# KiCad board SparkFun_GNSS_ZED-X20P_panelized.kicad_pcb (continued)
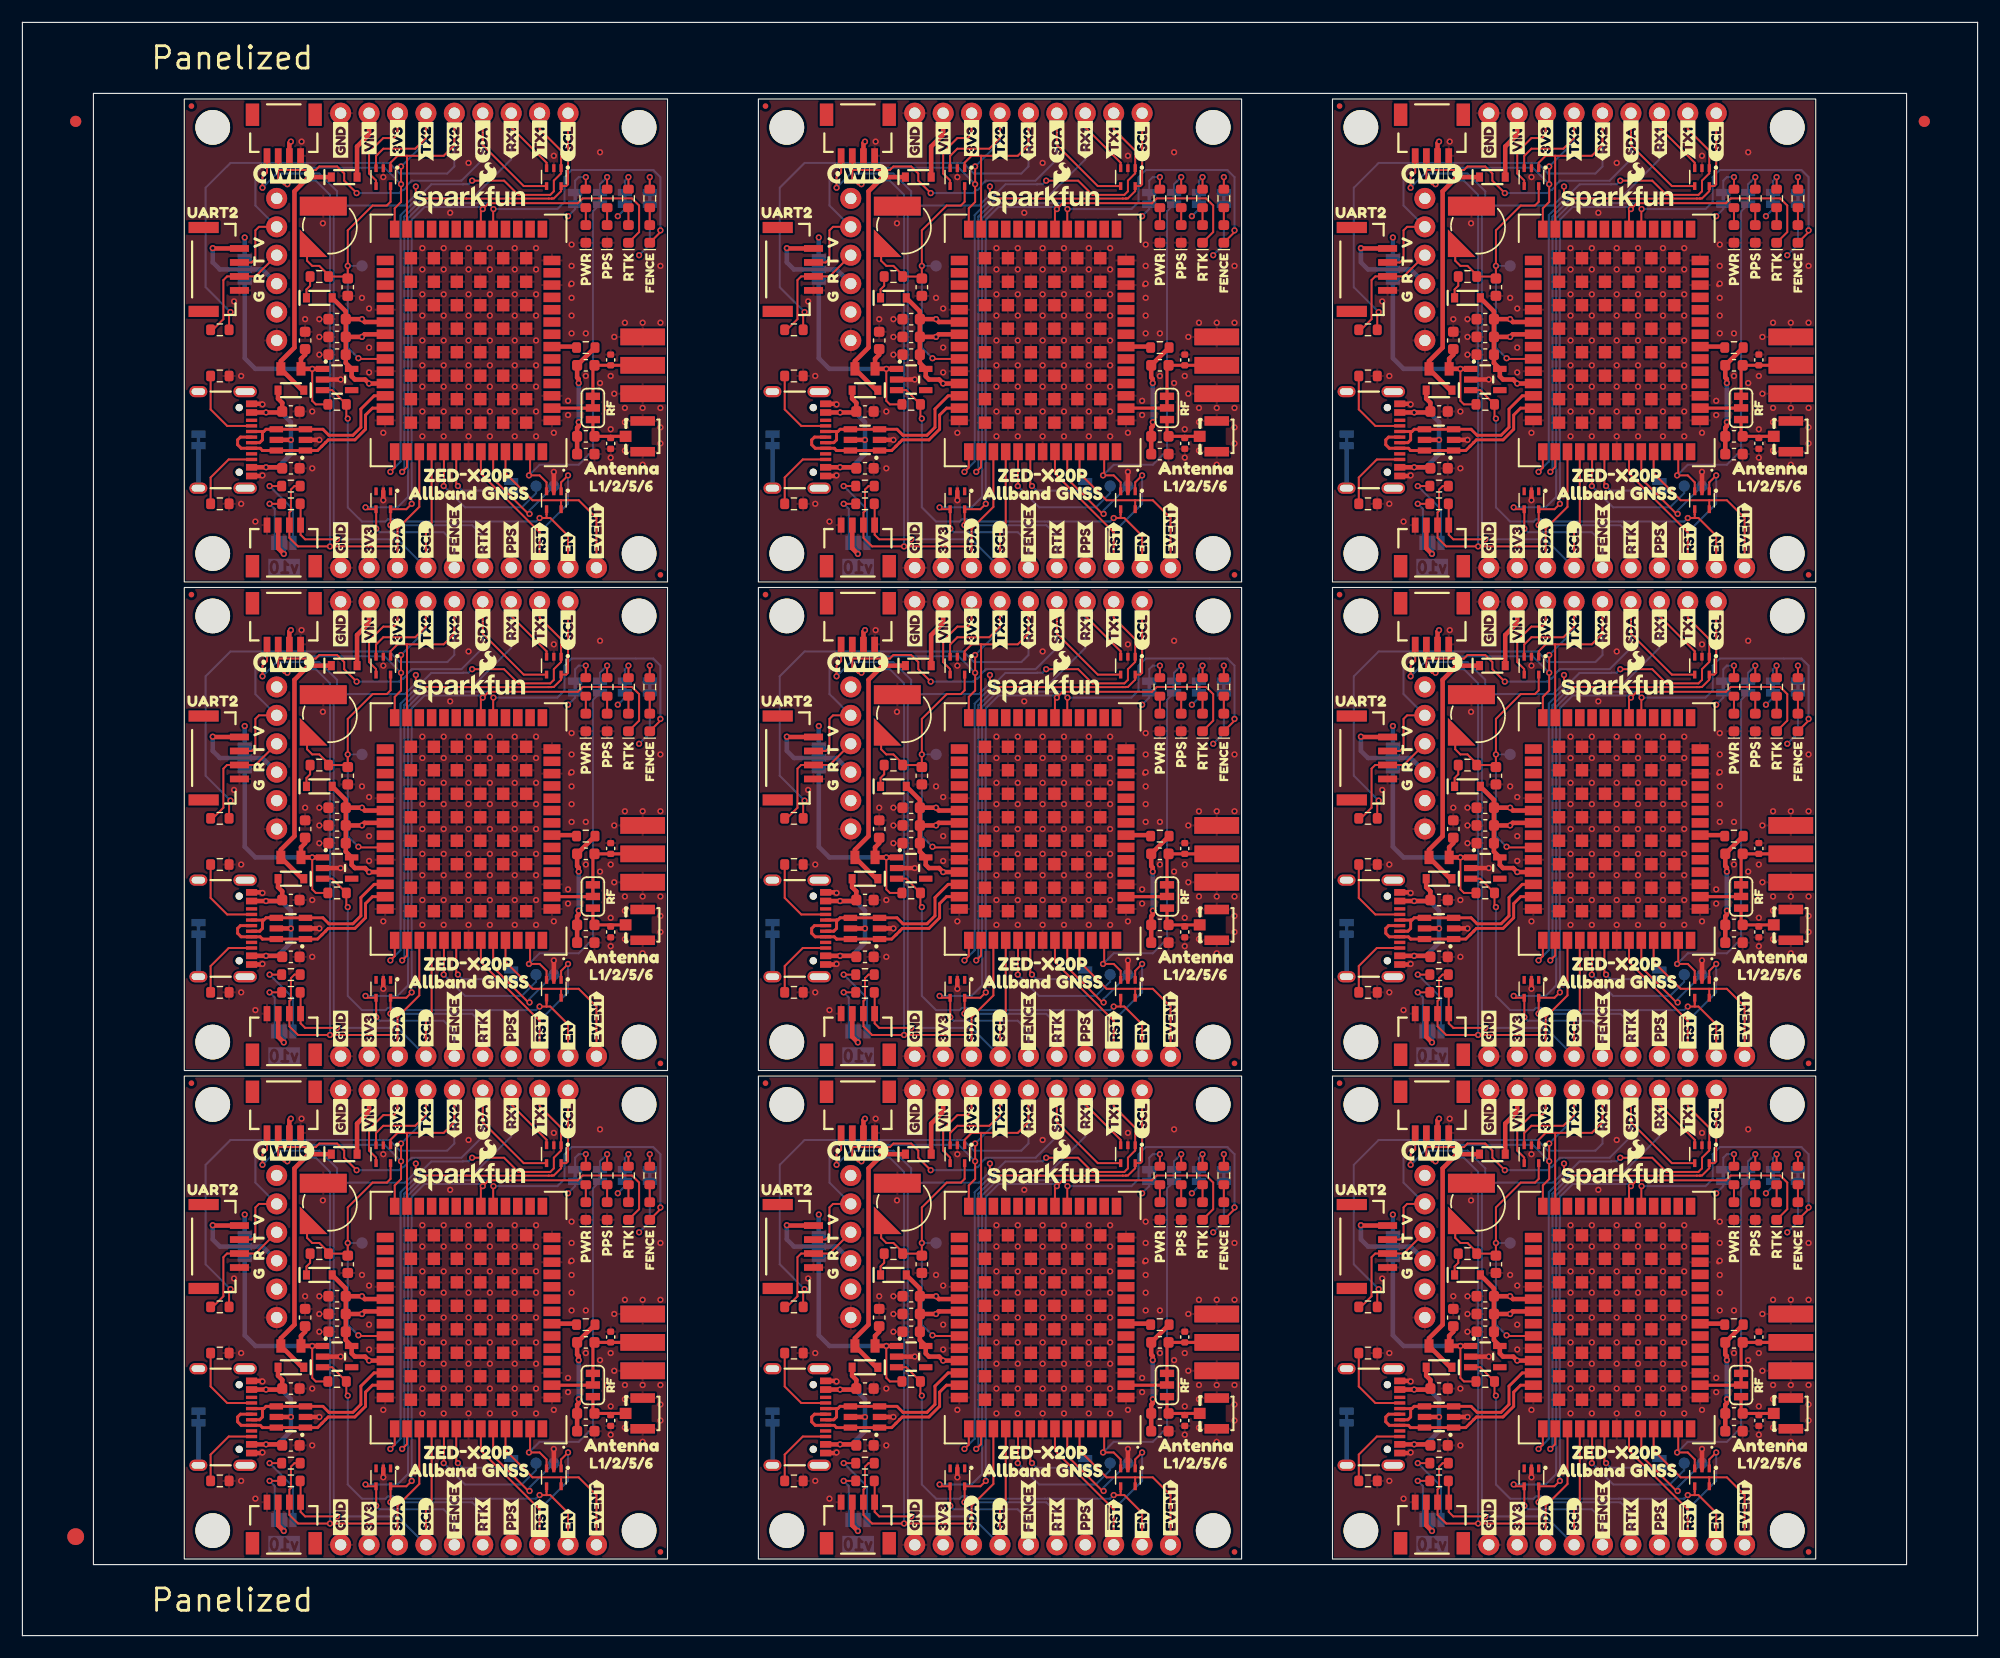
[diagram p0: board, top side]
## Placement (name value [footprint] x y rotation side) (continued)
R12#2  2.2k  [R_0603_1608Metric]  75.3 101.2 0 top
R12#3  2.2k  [R_0603_1608Metric]  126.59 101.2 0 top
R12#4  2.2k  [R_0603_1608Metric]  75.3 13.84 0 top
R12#5  2.2k  [R_0603_1608Metric]  24 57.52 0 top
R12#6  2.2k  [R_0603_1608Metric]  24 101.2 0 top
R12#7  2.2k  [R_0603_1608Metric]  126.59 57.52 0 top
R12#8  2.2k  [R_0603_1608Metric]  75.3 57.52 0 top
R12#9  2.2k  [R_0603_1608Metric]  126.59 13.84 0 top
R13  2.2k  [R_0603_1608Metric]  24 59.1 0 top
R13#2  2.2k  [R_0603_1608Metric]  24 15.42 0 top
R13#3  2.2k  [R_0603_1608Metric]  24 102.78 0 top
R13#4  2.2k  [R_0603_1608Metric]  126.59 15.42 0 top
R13#5  2.2k  [R_0603_1608Metric]  75.3 59.1 0 top
R13#6  2.2k  [R_0603_1608Metric]  126.59 102.78 0 top
R13#7  2.2k  [R_0603_1608Metric]  126.59 59.1 0 top
R13#8  2.2k  [R_0603_1608Metric]  75.3 15.42 0 top
R13#9  2.2k  [R_0603_1608Metric]  75.3 102.78 0 top
Ref**  Val**  [OSHW_Logo_4mm]  55.11 13.84 270 bottom
Ref**#2  Val**  [OSHW_Logo_4mm]  55.11 57.52 270 bottom
Ref**#3  Val**  [OSHW_Logo_4mm]  106.41 13.84 270 bottom
Ref**#4  Val**  [OSHW_Logo_4mm]  106.41 101.2 270 bottom
Ref**#5  Val**  [OSHW_Logo_4mm]  55.11 101.2 270 bottom
Ref**#6  Val**  [OSHW_Logo_4mm]  106.41 57.52 270 bottom
Ref**#7  Val**  [OSHW_Logo_4mm]  157.71 13.84 270 bottom
Ref**#8  Val**  [OSHW_Logo_4mm]  157.71 57.52 270 bottom
Ref**#9  Val**  [OSHW_Logo_4mm]  157.71 101.2 270 bottom
ST1  -  [Standoff]  55.11 47.49 0 top
ST1#2  -  [Standoff]  157.71 47.49 0 top
ST1#3  -  [Standoff]  106.41 91.17 0 top
ST1#4  -  [Standoff]  106.41 47.49 0 top
ST1#5  -  [Standoff]  55.11 134.85 0 top
ST1#6  -  [Standoff]  106.41 134.85 0 top
ST1#7  -  [Standoff]  157.71 134.85 0 top
ST1#8  -  [Standoff]  157.71 91.17 0 top
ST1#9  -  [Standoff]  55.11 91.17 0 top
ST2  -  [Standoff]  55.11 53.07 0 top
ST2#2  -  [Standoff]  106.41 96.75 0 top
ST2#3  -  [Standoff]  106.41 9.39 0 top
ST2#4  -  [Standoff]  106.41 53.07 0 top
ST2#5  -  [Standoff]  157.71 96.75 0 top
ST2#6  -  [Standoff]  157.71 9.39 0 top
ST2#7  -  [Standoff]  55.11 96.75 0 top
ST2#8  -  [Standoff]  157.71 53.07 0 top
ST2#9  -  [Standoff]  55.11 9.39 0 top
ST3  -  [Standoff]  17.01 47.49 0 top
ST3#2  -  [Standoff]  17.01 134.85 0 top
ST3#3  -  [Standoff]  68.31 47.49 0 top
ST3#4  -  [Standoff]  17.01 91.17 0 top
ST3#5  -  [Standoff]  68.31 91.17 0 top
ST3#6  -  [Standoff]  119.61 134.85 0 top
ST3#7  -  [Standoff]  119.61 91.17 0 top
ST3#8  -  [Standoff]  68.31 134.85 0 top
ST3#9  -  [Standoff]  119.61 47.49 0 top
ST4  -  [Standoff]  17.01 9.39 0 top
ST4#2  -  [Standoff]  17.01 96.75 0 top
ST4#3  -  [Standoff]  17.01 53.07 0 top
ST4#4  -  [Standoff]  119.61 9.39 0 top
ST4#5  -  [Standoff]  119.61 96.75 0 top
ST4#6  -  [Standoff]  68.31 9.39 0 top
ST4#7  -  [Standoff]  68.31 53.07 0 top
ST4#8  -  [Standoff]  68.31 96.75 0 top
ST4#9  -  [Standoff]  119.61 53.07 0 top
TP1  1.0mm  [TestPoint-1.0mm]  148.5 15.42 180 bottom
TP1#2  1.0mm  [TestPoint-1.0mm]  45.9 59.1 180 bottom
TP1#3  1.0mm  [TestPoint-1.0mm]  97.2 59.1 180 bottom
TP1#4  1.0mm  [TestPoint-1.0mm]  97.2 102.78 180 bottom
TP1#5  1.0mm  [TestPoint-1.0mm]  97.2 15.42 180 bottom
TP1#6  1.0mm  [TestPoint-1.0mm]  45.9 102.78 180 bottom
TP1#7  1.0mm  [TestPoint-1.0mm]  148.5 59.1 180 bottom
TP1#8  1.0mm  [TestPoint-1.0mm]  148.5 102.78 180 bottom
TP1#9  1.0mm  [TestPoint-1.0mm]  45.9 15.42 180 bottom
TP2  1.0mm  [TestPoint-1.0mm]  30.34 35.11 180 bottom
TP2#2  1.0mm  [TestPoint-1.0mm]  30.34 78.79 180 bottom
TP2#3  1.0mm  [TestPoint-1.0mm]  81.65 35.11 180 bottom
TP2#4  1.0mm  [TestPoint-1.0mm]  30.34 122.47 180 bottom
TP2#5  1.0mm  [TestPoint-1.0mm]  132.94 122.47 180 bottom
TP2#6  1.0mm  [TestPoint-1.0mm]  132.94 78.79 180 bottom
TP2#7  1.0mm  [TestPoint-1.0mm]  81.65 78.79 180 bottom
TP2#8  1.0mm  [TestPoint-1.0mm]  81.65 122.47 180 bottom
TP2#9  1.0mm  [TestPoint-1.0mm]  132.94 35.11 180 bottom
TP4  1.0mm  [TestPoint-1.0mm]  47.49 15.42 180 bottom
TP4#2  1.0mm  [TestPoint-1.0mm]  47.49 59.1 180 bottom
TP4#3  1.0mm  [TestPoint-1.0mm]  98.79 59.1 180 bottom
TP4#4  1.0mm  [TestPoint-1.0mm]  98.79 15.42 180 bottom
TP4#5  1.0mm  [TestPoint-1.0mm]  47.49 102.78 180 bottom
TP4#6  1.0mm  [TestPoint-1.0mm]  150.09 15.42 180 bottom
TP4#7  1.0mm  [TestPoint-1.0mm]  150.09 102.78 180 bottom
TP4#8  1.0mm  [TestPoint-1.0mm]  98.79 102.78 180 bottom
TP4#9  1.0mm  [TestPoint-1.0mm]  150.09 59.1 180 bottom
U1  DT1042-04SO  [SOT23-6]  24 19.55 180 top
U1#2  DT1042-04SO  [SOT23-6]  24 106.91 180 top
U1#3  DT1042-04SO  [SOT23-6]  24 63.23 180 top
U1#4  DT1042-04SO  [SOT23-6]  126.59 106.91 180 top
U1#5  DT1042-04SO  [SOT23-6]  75.3 106.91 180 top
U1#6  DT1042-04SO  [SOT23-6]  75.3 19.55 180 top
U1#7  DT1042-04SO  [SOT23-6]  75.3 63.23 180 top
U1#8  DT1042-04SO  [SOT23-6]  126.59 19.55 180 top
U1#9  DT1042-04SO  [SOT23-6]  126.59 63.23 180 top
U2  RT9080-3.3  [SOT23-5]  28.12 24.95 0 top
U2#2  RT9080-3.3  [SOT23-5]  79.42 24.95 0 top
U2#3  RT9080-3.3  [SOT23-5]  79.42 112.31 0 top
U2#4  RT9080-3.3  [SOT23-5]  130.72 68.63 0 top
U2#5  RT9080-3.3  [SOT23-5]  28.12 68.63 0 top
U2#6  RT9080-3.3  [SOT23-5]  28.12 112.31 0 top
U2#7  RT9080-3.3  [SOT23-5]  79.42 68.63 0 top
U2#8  RT9080-3.3  [SOT23-5]  130.72 24.95 0 top
U2#9  RT9080-3.3  [SOT23-5]  130.72 112.31 0 top
U5  ZED-X20P  [ZED-F9P_F9T_F9R_X20P]  39.87 28.44 90 top
U5#2  ZED-X20P  [ZED-F9P_F9T_F9R_X20P]  39.87 115.8 90 top
U5#3  ZED-X20P  [ZED-F9P_F9T_F9R_X20P]  91.17 72.12 90 top
U5#4  ZED-X20P  [ZED-F9P_F9T_F9R_X20P]  39.87 72.12 90 top
U5#5  ZED-X20P  [ZED-F9P_F9T_F9R_X20P]  91.17 28.44 90 top
U5#6  ZED-X20P  [ZED-F9P_F9T_F9R_X20P]  142.47 115.8 90 top
U5#7  ZED-X20P  [ZED-F9P_F9T_F9R_X20P]  142.47 72.12 90 top
U5#8  ZED-X20P  [ZED-F9P_F9T_F9R_X20P]  91.17 115.8 90 top
U5#9  ZED-X20P  [ZED-F9P_F9T_F9R_X20P]  142.47 28.44 90 top

## Library data of the parts
BT1 BT1#2-BT1#9 = -: Description: Reflowable coin cell battery; PROD_ID: BATT-14267
C1 C5#9 = -: Datasheet: https://cdn.sparkfun.com/assets/8/a/4/a/5/Kemet_Capacitor_Datasheet.pdf; Description: Unpolarized capacitor; PROD_ID: CAP-00810; Tolerance: 20%; Voltage: 25V; ki_fp_filters: C_*
C1#2-C1#9 C5 C5#2-C5#8 = -: Datasheet: https://cdn.sparkfun.com/assets/8/a/4/a/5/Kemet_Capacitor_Datasheet.pdf; Description: Unpolarized capacitor; PROD_ID: CAP-00810; Tolerance: 20%; Voltage: 25V
C2 = -: Datasheet: https://cdn.sparkfun.com/assets/8/a/4/a/5/Kemet_Capacitor_Datasheet.pdf; Description: Unpolarized capacitor; PROD_ID: CAP-11015; Tolerance: 20%; Voltage: 6.3V; ki_fp_filters: C_*
C2#2-C2#9 = -: Datasheet: https://cdn.sparkfun.com/assets/8/a/4/a/5/Kemet_Capacitor_Datasheet.pdf; Description: Unpolarized capacitor; PROD_ID: CAP-11015; Tolerance: 20%; Voltage: 6.3V
C3 C7 = -: Datasheet: https://cdn.sparkfun.com/assets/8/a/4/a/5/Kemet_Capacitor_Datasheet.pdf; Description: Unpolarized capacitor; PROD_ID: CAP-00810; Voltage: 25V; Tolerance: 20%; ki_fp_filters: C_*
C3#2-C3#9 C7#2-C7#9 = -: Datasheet: https://cdn.sparkfun.com/assets/8/a/4/a/5/Kemet_Capacitor_Datasheet.pdf; Description: Unpolarized capacitor; PROD_ID: CAP-00810; Voltage: 25V; Tolerance: 20%
C8 = -: Datasheet: https://cdn.sparkfun.com/assets/8/a/4/a/5/Kemet_Capacitor_Datasheet.pdf; Description: Unpolarized capacitor; PROD_ID: CAP-10142; Tolerance: 5%; Voltage: 50V; ki_fp_filters: C_*
C8#2-C8#9 = -: Datasheet: https://cdn.sparkfun.com/assets/8/a/4/a/5/Kemet_Capacitor_Datasheet.pdf; Description: Unpolarized capacitor; PROD_ID: CAP-10142; Tolerance: 5%; Voltage: 50V
C9 C9#2-C9#8 = -: Datasheet: https://cdn.sparkfun.com/assets/8/a/4/a/5/Kemet_Capacitor_Datasheet.pdf; Description: Unpolarized capacitor; PROD_ID: CAP-13930; Voltage: 16V; Tolerance: 10%
C9#9 = -: Datasheet: https://cdn.sparkfun.com/assets/8/a/4/a/5/Kemet_Capacitor_Datasheet.pdf; Description: Unpolarized capacitor; PROD_ID: CAP-13930; Voltage: 16V; Tolerance: 10%; ki_fp_filters: C_*
C13 = -: Datasheet: https://cdn.sparkfun.com/assets/8/a/4/a/5/Kemet_Capacitor_Datasheet.pdf; Description: Unpolarized capacitor; PROD_ID: CAP-13930; Tolerance: 10%; Voltage: 16V; ki_fp_filters: C_*
C13#2-C13#9 = -: Datasheet: https://cdn.sparkfun.com/assets/8/a/4/a/5/Kemet_Capacitor_Datasheet.pdf; Description: Unpolarized capacitor; PROD_ID: CAP-13930; Tolerance: 10%; Voltage: 16V
D1 = -: Datasheet: https://docs.broadcom.com/docs/AV02-0551EN; Description: Light emitting diode; PROD_ID: DIO-17976; ki_fp_filters: LED* LED_SMD:* LED_THT:*
D1#2-D1#9 = -: Datasheet: https://docs.broadcom.com/docs/AV02-0551EN; Description: Light emitting diode; PROD_ID: DIO-17976
D2 = -: Datasheet: https://www.qt-brightek.com/datasheet/QBLP601_series.pdf; Description: Light emitting diode; PROD_ID: DIO-09004; ki_fp_filters: LED* LED_SMD:* LED_THT:*
D2#2-D2#9 = -: Datasheet: https://www.qt-brightek.com/datasheet/QBLP601_series.pdf; Description: Light emitting diode; PROD_ID: DIO-09004
D3 D3#2-D3#8 D14 D14#3-D14#9 = -: Datasheet: https://www.littelfuse.com/~/media/electronics/product_specifications/polymer_esd_suppressors/littelfuse_polymer_esd_suppressor_pesd0402_140_product_specification.pdf.pdf; Description: Bidirectional transient-voltage-suppression diode; PROD_ID: DIO-15359; Rating: 14VWM/40VC
D3#9 D14#2 = -: Datasheet: https://www.littelfuse.com/~/media/electronics/product_specifications/polymer_esd_suppressors/littelfuse_polymer_esd_suppressor_pesd0402_140_product_specification.pdf.pdf; Description: Bidirectional transient-voltage-suppression diode; PROD_ID: DIO-15359; Rating: 14VWM/40VC; ki_fp_filters: TO-???* *_Diode_* *SingleDiode* D_*
D4 = -: Datasheet: https://www.kingbrightusa.com/images/catalog/SPEC/APT1608SYCK.pdf; Description: Light emitting diode; PROD_ID: DIO-09003; ki_fp_filters: LED* LED_SMD:* LED_THT:*
D4#2-D4#9 = -: Datasheet: https://www.kingbrightusa.com/images/catalog/SPEC/APT1608SYCK.pdf; Description: Light emitting diode; PROD_ID: DIO-09003
D5 = -: Datasheet: https://assets.nexperia.com/documents/data-sheet/PMEG4005EJ.pdf; Description: Schottky diode; PROD_ID: DIO-10955; IMax: 0.5A; VDrop: 0.42V; VMax: 40V; ki_fp_filters: TO-???* *_Diode_* *SingleDiode* D_*
D5#2-D5#9 = -: Datasheet: https://assets.nexperia.com/documents/data-sheet/PMEG4005EJ.pdf; Description: Schottky diode; PROD_ID: DIO-10955; IMax: 0.5A; VDrop: 0.42V; VMax: 40V
D6 D7 = -: Datasheet: https://www.infineon.com/dgdl/bat60aseries.pdf?folderId=db3a304313d846880113def5812204a1&fileId=db3a304313d846880113def70c9304a9; Description: Schottky diode; PROD_ID: DIO-14072; IMax: 3A; VDrop: 0.28V; VMax: 10V; ki_fp_filters: TO-???* *_Diode_* *SingleDiode* D_*
D6#2-D6#9 D7#2-D7#9 = -: Datasheet: https://www.infineon.com/dgdl/bat60aseries.pdf?folderId=db3a304313d846880113def5812204a1&fileId=db3a304313d846880113def70c9304a9; Description: Schottky diode; PROD_ID: DIO-14072; IMax: 3A; VDrop: 0.28V; VMax: 10V
D8 D10 D12#2 D13#9 = -: Datasheet: https://toshiba.semicon-storage.com/info/DF5A5.6LFU_datasheet_en_20140301.pdf?did=22260&prodName=DF5A5.6LFU; Description: Low capacitance microSD unidirectional quadruple ESD protection diode array, 3.3V, Common Anode, SOT-353; PROD_ID: DIO-20454; Rating: 3.3VWM/12VC; ki_fp_filters: SOT?353*
D8#2-D8#9 D10#2-D10#9 D12 D12#3-D12#9 D13 D13#2-D13#8 = -: Datasheet: https://toshiba.semicon-storage.com/info/DF5A5.6LFU_datasheet_en_20140301.pdf?did=22260&prodName=DF5A5.6LFU; Description: Low capacitance microSD unidirectional quadruple ESD protection diode array, 3.3V, Common Anode, SOT-353; PROD_ID: DIO-20454; Rating: 3.3VWM/12VC
D9 = -: Datasheet: https://media.digikey.com/pdf/Data%20Sheets/Rohm%20PDFs/SMLE12_Series_Rev2.0_2007.pdf; Description: Light emitting diode; PROD_ID: DIO-08575; ki_fp_filters: LED* LED_SMD:* LED_THT:*
D9#2-D9#9 = -: Datasheet: https://media.digikey.com/pdf/Data%20Sheets/Rohm%20PDFs/SMLE12_Series_Rev2.0_2007.pdf; Description: Light emitting diode; PROD_ID: DIO-08575
F1 = -: Datasheet: https://www.belfuse.com/resources/datasheets/circuitprotection/ds-cp-0zck-series.pdf; Description: Resettable fuse; PROD_ID: RES-13945; ki_fp_filters: *polyfuse* *PTC*
F1#2-F1#9 = -: Datasheet: https://www.belfuse.com/resources/datasheets/circuitprotection/ds-cp-0zck-series.pdf; Description: Resettable fuse; PROD_ID: RES-13945
FID3 FID3#2-FID3#8 FID4 FID4#2-FID4#7 FID4#9 = -: Description: Fiducial Marker
FID3#9 FID4#8 = -: Description: Fiducial Marker; ki_fp_filters: Fiducial*
J1 J1#2-J1#8 = -: Datasheet: https://www.usb.org/sites/default/files/documents/usb_type-c.zip; Description: USB 2.0-only Type-C Receptacle connector; PROD_ID: CONN-14122
J1#9 = -: Datasheet: https://www.usb.org/sites/default/files/documents/usb_type-c.zip; Description: USB 2.0-only Type-C Receptacle connector; PROD_ID: CONN-14122; ki_fp_filters: USB*C*Receptacle*
J2 J3 J11#4 = -: Description: Basic 0.1" PTH; ki_fp_filters: Connector*:*_1x??_*
J2#2-J2#9 J3#2-J3#9 J11 J11#2 J11#3 J11#5-J11#9 = -: Description: Basic 0.1" PTH
J4 J7 = -: Datasheet: https://www.jst-mfg.com/product/pdf/eng/eSH.pdf; Description: 4 pin JST 1mm polarized connector for I2C; PROD_ID: CONN-13694; ki_fp_filters: Connector*:*_1x??_*
J4#2-J4#9 J7#2-J7#9 = -: Datasheet: https://www.jst-mfg.com/product/pdf/eng/eSH.pdf; Description: 4 pin JST 1mm polarized connector for I2C; PROD_ID: CONN-13694
J5 J5#2-J5#8 = -: Datasheet: https://www.sparkfun.com/datasheets/Wireless/Antenna/SMA-Connector.pdf; Description: SMA PCB Edge Mount connector; PROD_ID: CONN-08289
J5#9 = -: Datasheet: https://www.sparkfun.com/datasheets/Wireless/Antenna/SMA-Connector.pdf; Description: SMA PCB Edge Mount connector; PROD_ID: CONN-08289; ki_fp_filters: *BNC* *SMA* *SMB* *SMC* *Cinch* *LEMO*
J8 = -: Datasheet: https://www.jst-mfg.com/product/pdf/eng/eGH.pdf; Description: Locking 4 pin JST SMD connector; PROD_ID: CONN-15303; ki_fp_filters: Connector*:*_1x??_*
J8#2-J8#9 = -: Datasheet: https://www.jst-mfg.com/product/pdf/eng/eGH.pdf; Description: Locking 4 pin JST SMD connector; PROD_ID: CONN-15303
J9 J9#2-J9#8 = -: Description: Coomon 4 pin PTH connector for I2C
J9#9 = -: Description: Coomon 4 pin PTH connector for I2C; ki_fp_filters: Connector*:*_1x??_*
J10 = -: Datasheet: https://mm.digikey.com/Volume0/opasdata/d220001/medias/docus/2607/UFL%20Series.pdf; Description: SMA PCB Edge Mount connector SMD; PROD_ID: CONN-09193; ki_fp_filters: *BNC* *SMA* *SMB* *SMC* *Cinch* *LEMO*
J10#2-J10#9 = -: Datasheet: https://mm.digikey.com/Volume0/opasdata/d220001/medias/docus/2607/UFL%20Series.pdf; Description: SMA PCB Edge Mount connector SMD; PROD_ID: CONN-09193
JP1 JP4 = -: Description: 3-pole Solder Jumper, pins 1+2 closed/bridged; ki_fp_filters: SolderJumper*Bridged12*
JP1#2-JP1#9 JP4#2-JP4#9 = -: Description: 3-pole Solder Jumper, pins 1+2 closed/bridged
JP2 JP2#2-JP2#8 JP3#2-JP3#9 JP5 JP5#2-JP5#8 JP7#2-JP7#9 JP8#2-JP8#9 = -: Description: Solder Jumper, 2-pole, closed/bridged
JP2#9 JP3 JP5#9 JP7 JP8 = -: Description: Solder Jumper, 2-pole, closed/bridged; ki_fp_filters: SolderJumper*Bridged*
JP9 = -: Description: Solder Jumper, 3-pole, open; ki_fp_filters: SolderJumper*Open*
JP9#2-JP9#9 = -: Description: Solder Jumper, 3-pole, open
JP10 = -: Description: Solder Jumper, 2-pole, open; ki_fp_filters: SolderJumper*Open*
JP10#2-JP10#9 = -: Description: Solder Jumper, 2-pole, open
L1 L2 = -: Datasheet: https://search.murata.co.jp/Ceramy/image/img/P02/JELF243B-0010.pdf; Description: Chip inductor; PROD_ID: NDUC-26402; Resistance: 0.72; ki_fp_filters: Choke_* *Coil* Inductor_* L_*
L1#2-L1#9 L2#2-L2#9 = -: Datasheet: https://search.murata.co.jp/Ceramy/image/img/P02/JELF243B-0010.pdf; Description: Chip inductor; PROD_ID: NDUC-26402; Resistance: 0.72
R1 R1#2-R1#8 R2 R2#3-R2#9 = -: Datasheet: https://www.vishay.com/docs/20035/dcrcwe3.pdf; Description: Resistor; PROD_ID: RES-12083
R1#9 R2#2 = -: Datasheet: https://www.vishay.com/docs/20035/dcrcwe3.pdf; Description: Resistor; PROD_ID: RES-12083; ki_fp_filters: R_*
R3 R3#2-R3#8 R7#2-R7#9 R8 R8#2-R8#8 = -: Datasheet: https://www.vishay.com/docs/20035/dcrcwe3.pdf; Description: Resistor; PROD_ID: RES-07856
R3#9 R7 R8#9 = -: Datasheet: https://www.vishay.com/docs/20035/dcrcwe3.pdf; Description: Resistor; PROD_ID: RES-07856; ki_fp_filters: R_*
R4 = -: Datasheet: https://www.vishay.com/docs/20035/dcrcwe3.pdf; Description: Resistor; PROD_ID: RES-07857; ki_fp_filters: R_*
R4#2-R4#9 = -: Datasheet: https://www.vishay.com/docs/20035/dcrcwe3.pdf; Description: Resistor; PROD_ID: RES-07857
R5 R5#3-R5#9 R11#2-R11#9 R12#2-R12#9 R13 R13#3-R13#9 = -: Datasheet: https://www.vishay.com/docs/20035/dcrcwe3.pdf; Description: Resistor; PROD_ID: RES-08272
R5#2 R11 R12 R13#2 = -: Datasheet: https://www.vishay.com/docs/20035/dcrcwe3.pdf; Description: Resistor; PROD_ID: RES-08272; ki_fp_filters: R_*
R6 = -: Datasheet: https://www.vishay.com/docs/20035/dcrcwe3.pdf; Description: Resistor; PROD_ID: RES-12581; ki_fp_filters: R_*
R6#2-R6#9 = -: Datasheet: https://www.vishay.com/docs/20035/dcrcwe3.pdf; Description: Resistor; PROD_ID: RES-12581
R9 = -: Datasheet: https://www.vishay.com/docs/20035/dcrcwe3.pdf; Description: Resistor; PROD_ID: RES-07828; ki_fp_filters: R_*
R9#2-R9#9 = -: Datasheet: https://www.vishay.com/docs/20035/dcrcwe3.pdf; Description: Resistor; PROD_ID: RES-07828
ST1 ST2#9 ST3 ST4 = -: Description: Drill holes for mechanically mounting via screws, standoffs, etc.; ki_fp_filters: Fiducial*
ST1#2-ST1#9 ST2 ST2#2-ST2#8 ST3#2-ST3#9 ST4#2-ST4#9 = -: Description: Drill holes for mechanically mounting via screws, standoffs, etc.
TP1 TP1#2-TP1#8 TP2#2-TP2#9 TP4#2-TP4#9 = -: Description: Test Point
TP1#9 TP2 TP4 = -: Description: Test Point; ki_fp_filters: Pin* Test*
U1 = -: Datasheet: https://www.diodes.com/assets/Datasheets/DT1042-04SO.pdf; Description: Very low capacitance ESD protection diode, 4 data-line, SOT-23-6; PROD_ID: IC-13538; Rating: 5VWM/9VC; ki_fp_filters: SOT?23*
U1#2-U1#9 = -: Datasheet: https://www.diodes.com/assets/Datasheets/DT1042-04SO.pdf; Description: Very low capacitance ESD protection diode, 4 data-line, SOT-23-6; PROD_ID: IC-13538; Rating: 5VWM/9VC
U2 = -: Datasheet: https://www.richtek.com/SaveDownload.aspx?specid=RT9080; Description: 600mA low dropout linear regulator, with enable pin, 3.8V-6V input voltage range, 3.3V fixed positive output, SOT-23-5; PROD_ID: VREG-19034; VMax: 5.5V; Imax: 600mA; Iq: 4µA; IMax: 600mA; ki_fp_filters: SOT?23?5*
U2#2-U2#9 = -: Datasheet: https://www.richtek.com/SaveDownload.aspx?specid=RT9080; Description: 600mA low dropout linear regulator, with enable pin, 3.8V-6V input voltage range, 3.3V fixed positive output, SOT-23-5; PROD_ID: VREG-19034; VMax: 5.5V; Imax: 600mA; Iq: 4µA; IMax: 600mA
U5 U5#2-U5#9 = -: Datasheet: https://www.u-blox.com/sites/default/files/documents/ZED-X20P_ProductSummary_UBXDOC-304424225-18238.pdf; Description: u-blox All-Band RTK GNSS Receiver; PROD_ID: IC-26061

## Footprints (pads in the part's own frame, mm; a bottom-side part is the same pattern mirrored in y, then rotated)
1x04
  round 1.88 hole 1.016: 1(0,0) 2(2.54,0) 3(5.08,0) 4(7.62,0)
1x06
  round 1.88 hole 1.016: 1(0,0) 2(2.54,0) 3(5.08,0) 4(7.62,0) 5(10.16,0) 6(12.7,0)
1x09
  round 1.88 hole 1.016: 1(0,0) 2(2.54,0) 3(5.08,0) 4(7.62,0) 5(10.16,0) 6(12.7,0) 7(15.24,0) 8(17.78,0) 9(20.32,0)
0805
  rect 0.8x1.2 smd: 1(-0.9,0) 2(0.9,0)
C_0402_1005Metric
  rrect 0.56x0.62 smd: 1(-0.48,0) 2(0.48,0)
C_0603_1608Metric
  rrect 0.9x0.95 smd: 1(-0.775,0) 2(0.775,0)
Fiducial_0.5mm_Mask1mm
  round 0.5 smd: (0,0)
Fiducial_1.5mm_Mask3mm
  round 1.5 smd: (0,0)
Fiducial_1mm_Mask3mm
  round 1 smd: (0,0)
JST_SMD_1.0mm-4_Black
  rect 0.6x1.35 smd: 1(-1.5,0) 2(-0.5,0) 3(0.5,0) 4(1.5,0)
  rect 1.2x2 smd: NC1(2.8,-3.675) NC2(-2.8,-3.675)
JST_SMD_1.25mm-4_Locking
  rect 0.6x1.7 smd: 1(-1.875,1.75) 2(-0.625,1.75) 3(0.625,1.75) 4(1.875,1.75)
  rect 1x2.7 smd: NC1(-3.75,-1.45) NC2(3.75,-1.45)
Jumper_2_NC_Trace
  rect 0.66x1.27 smd: 1(-0.521,0) 2(0.521,0)
Jumper_2_NO
  rect 0.635x1.27 smd: 1(-0.406,0) 2(0.406,0)
Jumper_3_NC-1_Trace
  rect 0.66x1.27 smd: 1(-1.041,0) 2(0,0) 3(1.041,0)
Jumper_3_NO
  rect 0.635x1.27 smd: 1(-0.813,0) 2(0,0) 3(0.813,0)
LED_0603_1608Metric_Blue
  rrect 0.875x0.95 smd: 1(-0.787,0) 2(0.787,0)
LED_0603_1608Metric_Red
  rrect 0.875x0.95 smd: 1(-0.787,0) 2(0.787,0)
LED_0603_1608Metric_White
  rrect 0.875x0.95 smd: 1(-0.787,0) 2(0.787,0)
LED_0603_1608Metric_Yellow
  rrect 0.875x0.95 smd: 1(-0.787,0) 2(0.787,0)
ML414H_IV01E
  custom 2.485x2.485 smd: +(2.05,2.152)
  rect 4.2x1.7 smd: -(0.6,-1.85)
R_0603_1608Metric
  rrect 0.8x0.95 smd: 1(-0.825,0) 2(0.825,0)
SMA_Edge
  rect 1.5x4 smd: 1(0,0) 2(-2.54,0) 2(2.54,0)
  rect 1.5x4 smd far side: 2(-2.54,0) 2(2.54,0)
SOD-323
  rect 0.63x0.83 smd: 1(-1.15,0) 2(1.15,0)
SOT23-5
  rect 1.2x0.55 smd: 1(-1.3,0.95) 2(-1.3,0) 3(-1.3,-0.95) 4(1.3,-0.95) 5(1.3,0.95)
SOT23-6
  rect 1.2x0.55 smd: 1(-1.3,0.95) 2(-1.3,0) 3(-1.3,-0.95) 4(1.3,-0.95) 5(1.3,0) 6(1.3,0.95)
SOT-353
  rect 0.7x0.3 smd: 1(-0.8,0.65) 2(-0.8,0) 3(-0.8,-0.65) 4(0.8,-0.65) 5(0.8,0.65)
Standoff
  round 3.1 hole 3.1 unplated: (0,0)
TestPoint-1.0mm
  rrect 1.016x1.016 smd: 1(0,0)
U.FL
  rect 1.05x1 smd: 1(1.525,0)
  rect 2.2x0.85 smd: 2(0,1.375) 2(0,-1.375)
USB-C_16
  round 0.65 hole 0.65 unplated: (-2.89,-1.445) (2.89,-1.445)
  rect 0.3x1 smd: A5(-1.25,-0.34) A6(-0.25,-0.34) A7(0.25,-0.34) A8(1.25,-0.34) B5(1.75,-0.34) B6(0.75,-0.34) B7(-0.75,-0.34) B8(-1.75,-0.34)
  rect 0.6x1 smd: GND(-3.225,-0.34) GND(3.225,-0.34) VBUS(-2.45,-0.34) VBUS(2.45,-0.34)
  oval 1x1.6 hole 0.6x1.2: NC1(-4.318,-5.095) S(4.318,-5.095)
  oval 1x2.1 hole 0.6x1.7: NC2(-4.318,-0.915) NC3(4.318,-0.915)
ZED-F9P_F9T_F9R_X20P
  rect 0.85x1.52 smd: 1(-7.15,-7.45) 2(-6.05,-7.45) 3(-4.95,-7.45) 4(-3.85,-7.45) 5(-2.75,-7.45) 6(-1.65,-7.45) 7(-0.55,-7.45) 8(0.55,-7.45) 9(1.65,-7.45) 10(2.75,-7.45) 11(3.85,-7.45) 12(4.95,-7.45) 13(6.05,-7.45) 14(7.15,-7.45) 28(7.15,7.45) 29(6.05,7.45) 30(4.95,7.45) 31(3.85,7.45) 32(2.75,7.45) 33(1.65,7.45) 34(0.55,7.45) 35(-0.55,7.45) 36(-1.65,7.45) 37(-2.75,7.45) 38(-3.85,7.45) 39(-4.95,7.45) 40(-6.05,7.45) 41(-7.15,7.45)
  rect 1.52x0.85 smd: 15(9.95,-6.6) 16(9.95,-5.5) 17(9.95,-4.4) 18(9.95,-3.3) 19(9.95,-2.2) 20(9.95,-1.1) 21(9.95,0) 22(9.95,1.1) 23(9.95,2.2) 24(9.95,3.3) 25(9.95,4.4) 26(9.95,5.5) 27(9.95,6.6) 42(-9.95,6.6) 43(-9.95,5.5) 44(-9.95,4.4) 45(-9.95,3.3) 46(-9.95,2.2) 47(-9.95,1.1) 48(-9.95,0) 49(-9.95,-1.1) 50(-9.95,-2.2) 51(-9.95,-3.3) 52(-9.95,-4.4) 53(-9.95,-5.5) 54(-9.95,-6.6)
  rect 1.1x1.1 smd: 55(-1.05,-1.05) 56(-3.15,-1.05) 57(-5.25,-1.05) 58(-7.35,-1.05) 59(-1.05,-3.1) 60(-3.15,-3.1) 61(-5.25,-3.1) 62(-7.35,-3.1) 63(-1.05,-5.15) 64(-3.15,-5.15) 65(-5.25,-5.15) 66(-7.35,-5.15) 67(-1.05,5.15) 68(-3.15,5.15) 69(-5.25,5.15) 70(-7.35,5.15) 71(-1.05,3.1) 72(-3.15,3.1) 73(-5.25,3.1) 74(-7.35,3.1) 75(-1.05,1.05) 76(-3.15,1.05) 77(-5.25,1.05) 78(-7.35,1.05) 79(1.05,1.05) 80(3.15,1.05) 81(5.25,1.05) 82(7.35,1.05) 83(1.05,3.1) 84(3.15,3.1) 85(5.25,3.1) 86(7.35,3.1) 87(1.05,5.15) 88(3.15,5.15) 89(5.25,5.15) 90(7.35,5.15) 91(1.05,-5.15) 92(3.15,-5.15) 93(5.25,-5.15) 94(7.35,-5.15) 95(1.05,-3.1) 96(3.15,-3.1) 97(5.25,-3.1) 98(7.35,-3.1) 99(1.05,-1.05) 100(3.15,-1.05) 101(5.25,-1.05) 102(7.35,-1.05)

## Nets
3.3V: C2.1 C2#2.1 C2#3.1 C2#4.1 C2#5.1 C2#6.1 C2#7.1 C2#8.1 C2#9.1 C5.1 C5#2.1 C5#3.1 C5#4.1 C5#5.1 C5#6.1 C5#7.1 C5#8.1 C5#9.1 C8.1 C8#2.1 C8#3.1 C8#4.1 C8#5.1 C8#6.1 C8#7.1 C8#8.1 C8#9.1 D5.2 D5#2.2 D5#3.2 D5#4.2 D5#5.2 D5#6.2 D5#7.2 D5#8.2 D5#9.2 D8.4 D8#2.4 D8#3.4 D8#4.4 D8#5.4 D8#6.4 D8#7.4 D8#8.4 D8#9.4 J3.7 J3#2.7 J3#3.7 J3#4.7 J3#5.7 J3#6.7 J3#7.7 J3#8.7 J3#9.7 J4.2 J4#2.2 J4#3.2 J4#4.2 J4#5.2 J4#6.2 J4#7.2 J4#8.2 J4#9.2 J7.2 J7#2.2 J7#3.2 J7#4.2 J7#5.2 J7#6.2 J7#7.2 J7#8.2 J7#9.2 J9.2 J9#2.2 J9#3.2 J9#4.2 J9#5.2 J9#6.2 J9#7.2 J9#8.2 J9#9.2 JP2.2 JP2#2.2 JP2#3.2 JP2#4.2 JP2#5.2 JP2#6.2 JP2#7.2 JP2#8.2 JP2#9.2 JP4.1 JP4#2.1 JP4#3.1 JP4#4.1 JP4#5.1 JP4#6.1 JP4#7.1 JP4#8.1 JP4#9.1 JP5.2 JP5#2.2 JP5#3.2 JP5#4.2 JP5#5.2 JP5#6.2 JP5#7.2 JP5#8.2 JP5#9.2 JP8.2 JP8#2.2 JP8#3.2 JP8#4.2 JP8#5.2 JP8#6.2 JP8#7.2 JP8#8.2 JP8#9.2 JP9.2 JP9#2.2 JP9#3.2 JP9#4.2 JP9#5.2 JP9#6.2 JP9#7.2 JP9#8.2 JP9#9.2 U2.5 U2#2.5 U2#3.5 U2#4.5 U2#5.5 U2#6.5 U2#7.5 U2#8.5 U2#9.5 U5.33 U5.34 U5.38 U5#2.33 U5#2.34 U5#2.38 U5#3.33 U5#3.34 U5#3.38 U5#4.33 U5#4.34 U5#4.38 U5#5.33 U5#5.34 U5#5.38 U5#6.33 U5#6.34 U5#6.38 U5#7.33 U5#7.34 U5#7.38 U5#8.33 U5#8.34 U5#8.38 U5#9.33 U5#9.34 U5#9.38
3V3_EN: D12.4 D12#2.4 D12#3.4 D12#4.4 D12#5.4 D12#6.4 D12#7.4 D12#8.4 D12#9.4 J11.5 J11#2.5 J11#3.5 J11#4.5 J11#5.5 J11#6.5 J11#7.5 J11#8.5 J11#9.5 R9.1 R9#2.1 R9#3.1 R9#4.1 R9#5.1 R9#6.1 R9#7.1 R9#8.1 R9#9.1 U2.3 U2#2.3 U2#3.3 U2#4.3 U2#5.3 U2#6.3 U2#7.3 U2#8.3 U2#9.3
5V: C1.1 C1#2.1 C1#3.1 C1#4.1 C1#5.1 C1#6.1 C1#7.1 C1#8.1 C1#9.1 F1.1 F1#2.1 F1#3.1 F1#4.1 F1#5.1 F1#6.1 F1#7.1 F1#8.1 F1#9.1 JP4.3 JP4#2.3 JP4#3.3 JP4#4.3 JP4#5.3 JP4#6.3 JP4#7.3 JP4#8.3 JP4#9.3 R9.2 R9#2.2 R9#3.2 R9#4.2 R9#5.2 R9#6.2 R9#7.2 R9#8.2 R9#9.2 U2.1 U2#2.1 U2#3.1 U2#4.1 U2#5.1 U2#6.1 U2#7.1 U2#8.1 U2#9.1
